# Altium PCB RFC_MB.PcbDoc (part 33 of 37)
Units mm, origin at the board's own origin, x right, y up, seen from the top; angles counter-clockwise.
Board outline 440 x 340 mm, 6 copper layers (TopLayer, PlaneGnd, PlanePwr, MidLayer3, MidLayer4, BottomLayer); 1264 components, 1336 nets, 5034 pads, 876 vias.
Unrouted connection lines stored in the file: 2433.
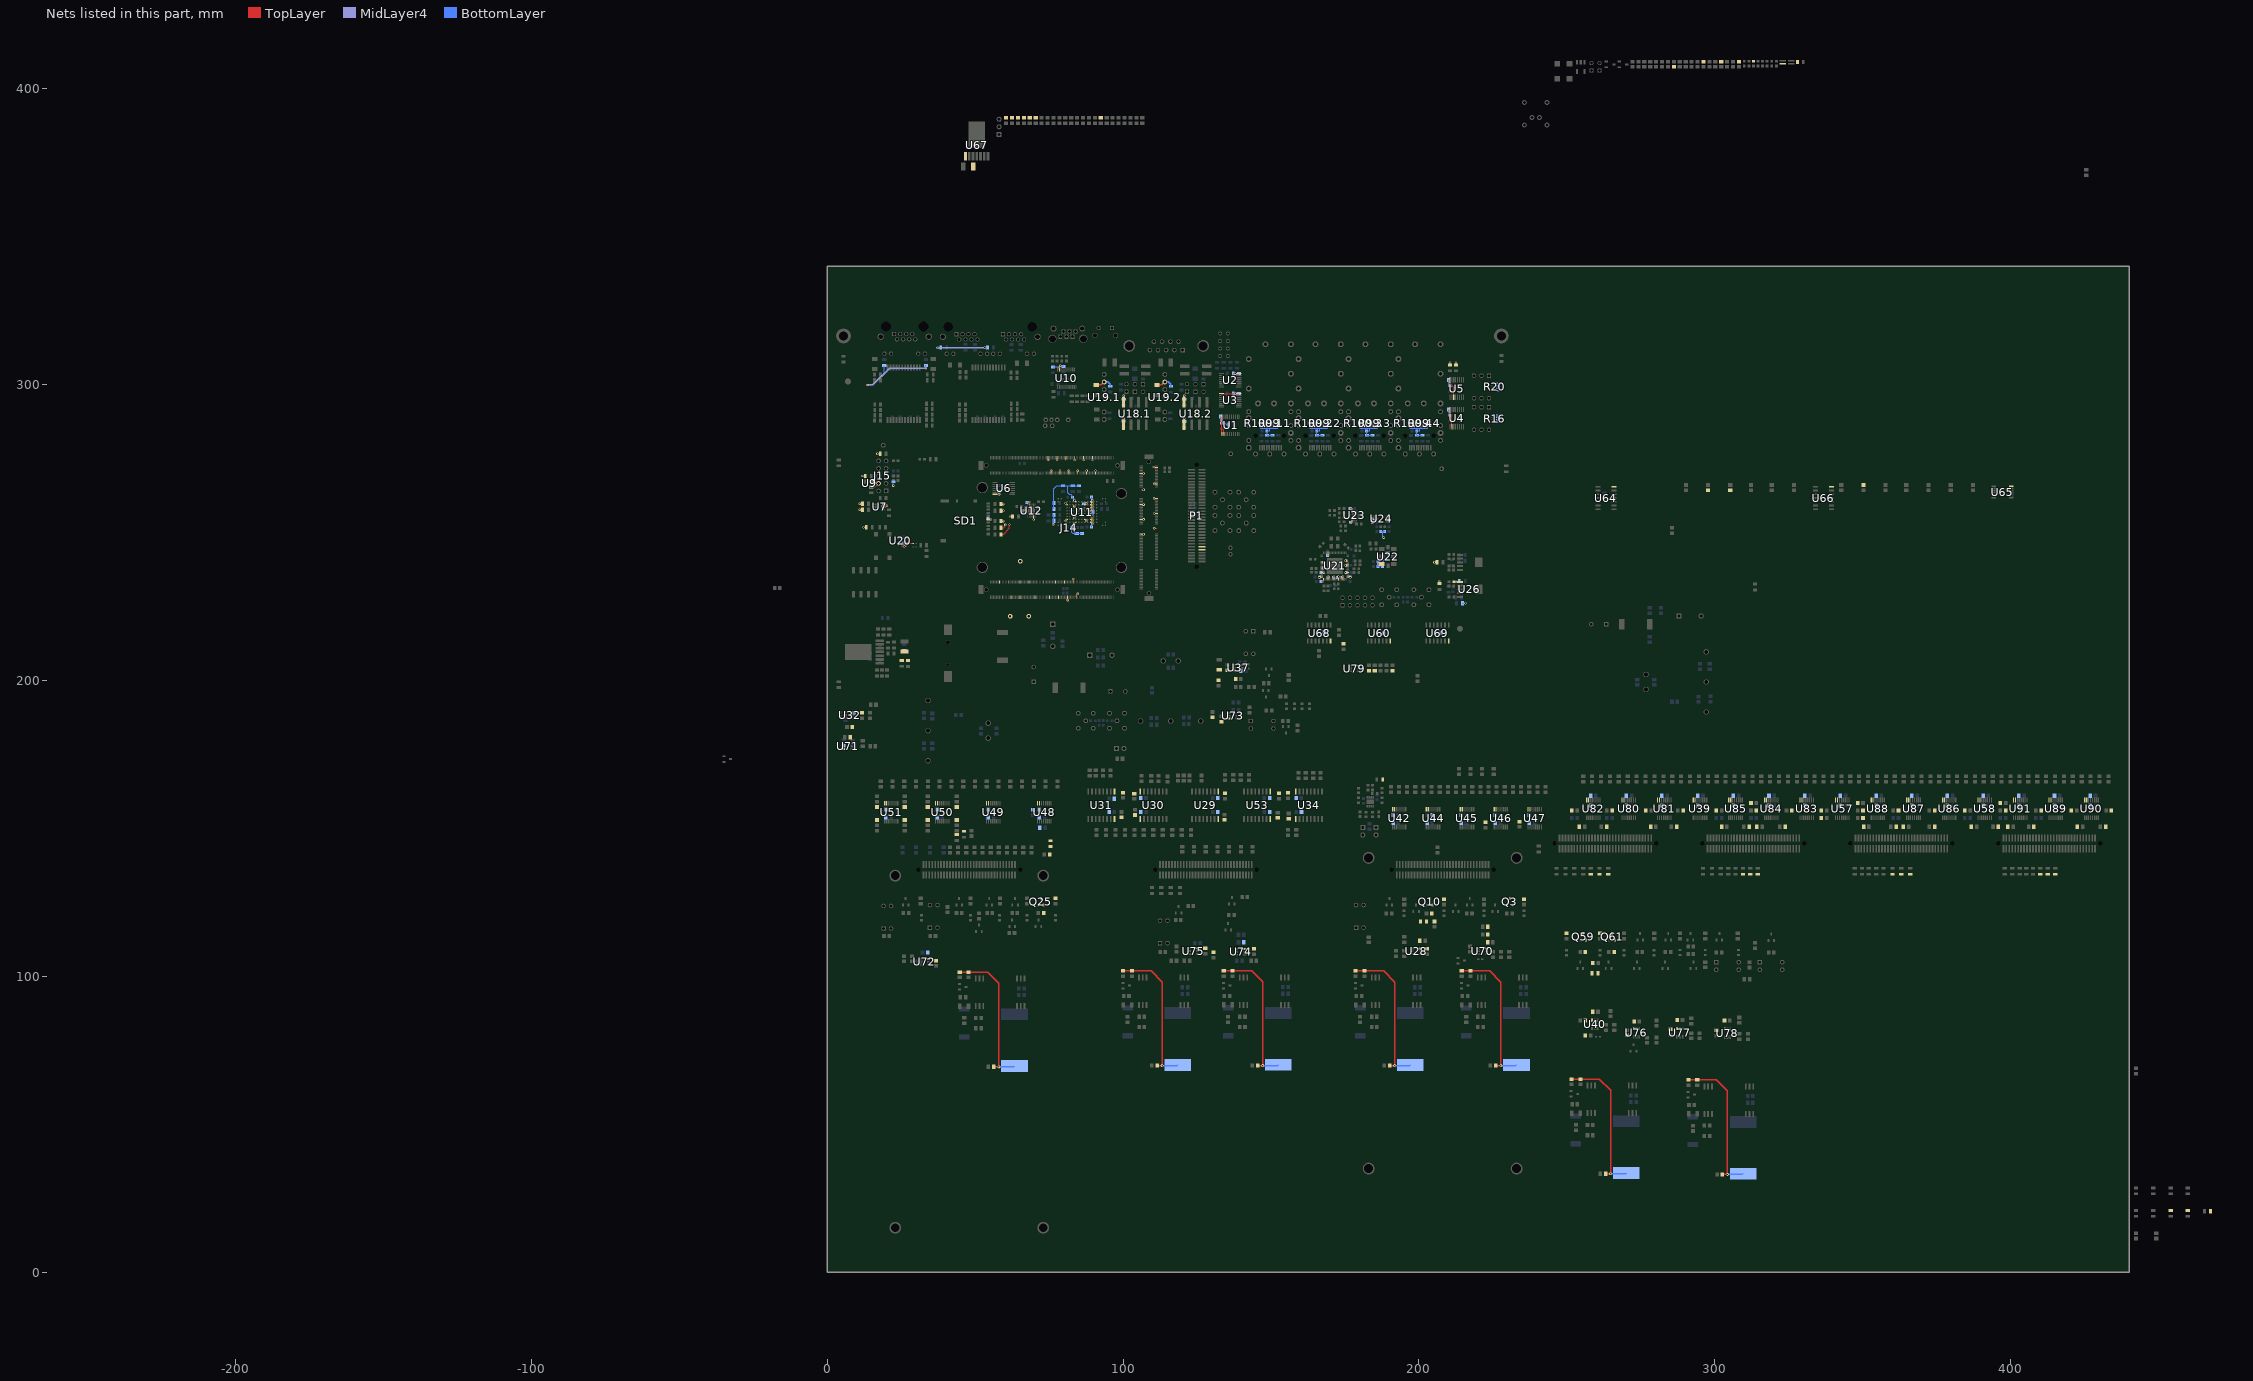
[diagram p37: the nets of this part, all layers, seen from the top]

## Footprints (in the part's own frame and the unit in brackets; to place one, negate y for a bottom-side part, rotate by r counter-clockwise, add the part's x,y. Pads: shape width x height; smd on the part's side, far side on the other; paste and mask are expansions set on the pad) (continued)
MOLEX_74441-0001 [mm] "20 Position, Pitch 0.8mm SFP+ Receptacle (Small Form-factor Pluggable)"
  rect 2x0.5 smd: 1(-4.1,3.395) 2(-4.1,2.595) 3(-4.1,1.795) 4(-4.1,0.995) 5(-4.1,0.195) 6(-4.1,-0.605) 7(-4.1,-1.405) 8(-4.1,-2.205) 9(-4.1,-3.005) 10(-4.1,-3.805) 11(4.1,-3.405) 12(4.1,-2.605) 13(4.1,-1.805) 14(4.1,-1.005) 15(4.1,-0.205) 16(4.1,0.595) 17(4.1,1.395) 18(4.1,2.195) 19(4.1,2.995) 20(4.1,3.795)
  round 0.5 hole 1.55 unplated mask+0.525: MTG1(0,4.795) MTG2(0,-4.805)
  silkscreen extent -5.08,-5.5 3.7,5.49, body extent -4.54,-5.5 4.61,5.5, height 5.37
MOLEX_74737-0111 [mm] "SFP+ 1x1 Cage"
  round 2 hole 1.05: 1(-30.9,7.125) 2(-20.9,7.125) 3(-10.9,7.125) 4(-10.9,1.445) 5(-30.9,-1.455) 6(-10.9,-3.955) 7(-25.9,-7.125) 8(-15.9,-7.125) 9(-5.9,-7.125) 10(4.1,-7.125)
  round 1.65 hole 0.95: 11(-8.1,7.125) 12(-3.4,7.125) 13(1.6,7.125) 14(6.2,4.8) 15(6.2,0) 16(6.2,-4.8) 17(-8.1,-7.125) 18(-3.4,-7.125) 19(1.6,-7.125)
  round 2 hole 0.85: 20(-0.9,7.125)
  silkscreen extent -42.4,-8.15 6.4,8.15, body extent -42.4,-8.15 6.4,8.15, height 10.6
OSCSC508P500X700X160-4N [mm] "SMD Oscillator, side convave, 4 pins, 5.00x7.00mm"
  rect 2x1.8 smd: 1(-2.1,2.54) 2(-2.1,-2.54) 3(2.1,-2.54) 4(2.1,2.54)
  silkscreen extent -3.17,-3.5 2.5,4.06, body extent -2.6,-3.6 2.6,3.6, height 1.6
PLD-10 [mm] "10 Contacts - Pitch 2.54mm - Dual Row Straight Strip Header"
  rect 1.5x1.5 hole 1: 1(-5.08,-1.27)
  round 1.5 hole 1: 2(-5.08,1.27) 3(-2.54,-1.27) 4(-2.54,1.27) 5(0,-1.27) 6(0,1.27) 7(2.54,-1.27) 8(2.54,1.27) 9(5.08,-1.27) 10(5.08,1.27)
  silkscreen extent -6.68,-3.37 6.35,2.54, body extent -6.34,-2.53 6.36,2.55, height 8.48
PLS2 [mm] "2 Contacts Straight Strip Header Pitch 2.54mm L=6.7mm ''Mini-Wire-Wrap''"
  rect 1.7x1.7 hole 1: 1(0,0)
  round 1.7 hole 1: 2(2.54,0)
  silkscreen extent -1.27,-1.23 3.81,1.93, body extent -1.22,-1.25 3.86,1.25, height 9.5
PLS3 [mm] "3 Contacts - Pitch 2.54mm - Single Row Through Mount Straight Header (Post Lead = 6.35mm, Tail Lead 3.05mm, Insulator 1.52mm)"
  rect 1.7x1.7 hole 1: 1(0,0)
  round 1.7 hole 1: 2(2.54,0) 3(5.08,0)
  silkscreen extent -1.27,-1.24 6.35,1.93, body extent -1.27,-1.24 6.35,1.24, height 7.87
PLS-2#1 [mm] "2 Contacts - Pitch 2.54mm - Single Row Straight Strip Male Header"
  rect 1.4x1.4 hole 1: 1(-1.27,0)
  round 1.4 hole 1: 2(1.27,0)
  silkscreen extent -2.87,-2.1 2.54,1.27, body extent -2.56,-1.26 2.52,1.28, height 8.48
PLS-2#2 [mm]
  rect 1.4x1.4 hole 1: 1(0,0)
  round 1.4 hole 1: 2(2.54,0)
  silkscreen extent -1.27,-1.27 3.81,1.27, body extent -1.27,-1.27 3.81,1.27, height 9.5
PTS645SL43SMTR92 [mm]
  rect 1.55x1.3 smd: 1(-3.975,2.25) 2(3.975,2.25) 3(-3.975,-2.25) 4(3.975,-2.25)
  silkscreen extent -5.2,-3.38 5.18,3.32, body extent -4.5,-3 4.5,3, height 4.3
PTS645VL582LFS [mm] "Tactile Switches SWITCH TACTILE"
  round 1.7 hole 1.3: 0(-3.5,2.55) 0(3.5,2.55)
  rect 1.4x1.4 hole 1: 1(-2.25,0)
  round 1.4 hole 1: 2(2.25,0)
  silkscreen extent -4.1,-3.8 4.05,4, body extent -4.11,-3.77 4.06,4.03, height 7.1
QFN50P300X300X100-17N-S150 [mm] "QFN, 0.50mm Pitch, Square; 4 pin X 4 pin, 3mm X 3mm X 1.00mm H Body (w/thermal tab 1.50 X 1.50mm), IPC Medium Density"
  oval 0.9x0.3 smd: 1(-1.45,0.75) 2(-1.45,0.25) 3(-1.45,-0.25) 4(-1.45,-0.75) 9(1.45,-0.75) 10(1.45,-0.25) 11(1.45,0.25) 12(1.45,0.75)
  oval 0.3x0.9 smd: 5(-0.75,-1.45) 6(-0.25,-1.45) 7(0.25,-1.45) 8(0.75,-1.45) 13(0.75,1.45) 14(0.25,1.45) 15(-0.25,1.45) 16(-0.75,1.45)
  rect 1.5x1.5 smd: 17(0,0)
  silkscreen extent -2.63,-1.5 1.5,1.5, body extent -1.57,-1.57 1.58,1.58, height 1
QFN50P400X400X80-25N-S245 [mm] "QFN, 0.50mm Pitch, Square; 6 Pin X 6 Pin, 4mm X 4mm Body (w/Thermal Tab 2.45 X 2.45 mm), IPC Medium Density"
  rect 1x0.25 smd: 1(-2,1.25) 2(-2,0.75) 3(-2,0.25) 4(-2,-0.25) 5(-2,-0.75) 6(-2,-1.25) 13(2,-1.25) 14(2,-0.75) 15(2,-0.25) 16(2,0.25) 17(2,0.75) 18(2,1.25)
  rect 0.25x1 smd: 7(-1.25,-2) 8(-0.75,-2) 9(-0.25,-2) 10(0.25,-2) 11(0.75,-2) 12(1.25,-2) 19(1.25,2) 20(0.75,2) 21(0.25,2) 22(-0.25,2) 23(-0.75,2) 24(-1.25,2)
  rect 2.45x2.45 smd: 25(0,0)
  silkscreen extent -2.52,-2 2,2.52, body extent -2.07,-2.07 2.08,2.08, height 0.8
QFN50P900X900X100-65N-S530 [mm]
  rect 0.85x0.3 smd: 1(-4.45,3.75) 2(-4.45,3.25) 3(-4.45,2.75) 4(-4.45,2.25) 5(-4.45,1.75) 6(-4.45,1.25) 7(-4.45,0.75) 8(-4.45,0.25) 9(-4.45,-0.25) 10(-4.45,-0.75) 11(-4.45,-1.25) 12(-4.45,-1.75) 13(-4.45,-2.25) 14(-4.45,-2.75) 15(-4.45,-3.25) 16(-4.45,-3.75) 33(4.45,-3.75) 34(4.45,-3.25) 35(4.45,-2.75) 36(4.45,-2.25) 37(4.45,-1.75) 38(4.45,-1.25) 39(4.45,-0.75) 40(4.45,-0.25) 41(4.45,0.25) 42(4.45,0.75) 43(4.45,1.25) 44(4.45,1.75) 45(4.45,2.25) 46(4.45,2.75) 47(4.45,3.25) 48(4.45,3.75)
  rect 0.3x0.85 smd: 17(-3.75,-4.45) 18(-3.25,-4.45) 19(-2.75,-4.45) 20(-2.25,-4.45) 21(-1.75,-4.45) 22(-1.25,-4.45) 23(-0.75,-4.45) 24(-0.25,-4.45) 25(0.25,-4.45) 26(0.75,-4.45) 27(1.25,-4.45) 28(1.75,-4.45) 29(2.25,-4.45) 30(2.75,-4.45) 31(3.25,-4.45) 32(3.75,-4.45) 49(3.75,4.45) 50(3.25,4.45) 51(2.75,4.45) 52(2.25,4.45) 53(1.75,4.45) 54(1.25,4.45) 55(0.75,4.45) 56(0.25,4.45) 57(-0.25,4.45) 58(-0.75,4.45) 59(-1.25,4.45) 60(-1.75,4.45) 61(-2.25,4.45) 62(-2.75,4.45) 63(-3.25,4.45) 64(-3.75,4.45)
  rect 5.3x5.3 smd: 65(0,0)
  silkscreen extent -5.57,-4.5 4.5,4.5, body extent -4.5,-4.5 4.5,4.5, height 1
RESC1608N [mm]
  rect 0.95x0.95 smd: 1(-0.8,0) 2(0.8,0)
  silkscreen extent 0,-0.47 0,0.48, body extent -0.87,-0.47 0.88,0.48, height 0.55
RESC1608X64N [mm]
  rect 0.85x1 smd: 1(-0.8,0) 2(0.8,0)
  silkscreen extent 0,-0.3 0,0.3, body extent -0.87,-0.47 0.88,0.48, height 0.64
RESC2012N [mm]
  rect 0.95x1.4 smd: 1(-1,0) 2(1,0)
  silkscreen extent 0,-0.7 0,0.7, body extent -1.1,-0.67 1.1,0.68, height 0.6
RESC2012X50N [mm]
  rect 0.95x1.45 smd: 1(-1,0) 2(1,0)
  silkscreen extent 0,-0.55 0,0.55, body extent -1.1,-0.67 1.1,0.68, height 0.5
RJ14 [mm]
  round 2.8 hole 2.4 paste+0: 0(-2.675,2.5)
  round 2 hole 1.4: 0(-2.3,-0.94) 0(7.4,-0.94)
  round 2.75 hole 2.4 paste+0: 0(7.775,2.5)
  rect 1.275x1.45 hole 1: 1(0,0) 2(1.02,1.78) 3(2.04,0) 4(3.06,1.775) 5(4.08,0) 6(5.1,1.78)
  silkscreen extent -3.5,-7 8.6,7, body extent -3.5,-7 8.6,7, height 11.53
SD_HRS-DM3AT-8_V [mm]
  rect 0.7x1.2 smd: 1(2.85,7.55) 2(1.75,7.55) 3(0.65,7.55) 4(-0.45,7.55) 5(-1.55,7.55) 6(-2.65,7.55) 7(-3.75,7.55) 8(-4.85,7.55) 10(-5.8,7.55)
  rect 1x0.8 smd: 9(-6.75,-2.95)
  rect 1x1.2 smd: 11(4.4,7.55) 14(-6.75,3.25)
  rect 1.3x1.9 smd: 12(6.75,-7.55)
  rect 1x2.8 smd: 13(-6.75,-7.1)
  silkscreen extent -6.85,-8.5 7,8.83, body extent -6.85,-8.5 7,7.65, height 1.68
SIP-7 [mm]
  oct 1.6x1.6 hole 1: 1(0,0)
  round 1.6 hole 1: 2(2.54,0) 4(7.62,0) 5(10.16,0) 6(12.7,0) 7(15.24,0)
  silkscreen extent -2.1,-4.75 17.37,1.25, body extent -2.15,-4.76 17.35,1.26, height 10
SMD0805CAP [mm]
  rect 1.2x1.4 smd: 1(0.102,0.002) 2(1.902,0.002)
  silkscreen extent -0.75,-0.95 2.75,0.95, body extent -0.02,-0.67 2.08,0.68, height 0.9
SMD0805RES [mm]
  rect 1.2x1.4 smd: 1(0.102,0.002) 2(1.902,0.002)
  silkscreen extent -0.75,-0.95 2.75,0.95, body extent 0,-0.63 2,0.63, height 0.51
SMD3225_4PIN_XTAL [mm]
  rect 1.4x1.2 smd: 1(-1.3,-1.1) 2(1.3,-1.1) 3(1.3,1.1) 4(-1.3,1.1)
  silkscreen extent -1.6,-1.7 1.6,1.25, body extent -1.6,-1.25 1.6,1.25, height 0.55
SMD_B82790 [mm]
  rect 3.2x1.2 smd mask-1: 1(0,0) 2(7.35,0) 3(7.35,2.5) 4(0,2.5)
  silkscreen extent 0.3,-1.7 7.3,4.3, body extent -0.72,-1.75 8.27,4.25, height 5.11
SMD_HX508 [mm]
  rect 2x0.64 smd: 1(0,0) 2(0,-0.99) 3(0,-1.98) 4(0,-2.97) 5(0,-3.96) 6(0,-4.95) 7(0,-5.94) 8(0,-6.93) 9(0,-7.92) 10(0,-8.91) 11(0,-9.9) 12(0,-10.89)
  rect 2x0.6 smd: 13(17.7,-10.89) 14(17.7,-9.9) 15(17.7,-8.91) 16(17.7,-7.92) 17(17.7,-6.93) 18(17.7,-5.94) 19(17.7,-4.95) 20(17.7,-3.96) 21(17.7,-2.97) 22(17.7,-1.98) 23(17.7,-0.99) 24(17.7,0)
  silkscreen extent -0.58,-12.17 18.1,1.28, body extent -0.45,-12.03 17.97,1.12, height 6.12
SOD_923 [mm]
  rect 0.5x0.4 smd: 1(-0.48,0) 2(0.48,0)
  body extent -0.48,-0.3 0.52,0.3, height 0.4
SODFL1608X65N [mm] "Ultra Small Outline Diode Flat Lead (SOD-523), Body; 1.2mm L X 0.8mm W X 0.65mm H, IPC Medium Density"
  rect 0.75x0.5 smd: 1(-0.7,0) 2(0.7,0)
  silkscreen extent -1.22,0.63 -0.97,0.87, body extent -0.82,-0.42 0.83,0.43, height 0.65
SOIC127P600X175-14N [mm] "SOIC 14, Pitch 1.27mm - Body 4x8.75mm, IPC Medium Density"
  rect 1.55x0.6 smd: 1(-2.7,3.81) 2(-2.7,2.54) 3(-2.7,1.27) 4(-2.7,0) 5(-2.7,-1.27) 6(-2.7,-2.54) 7(-2.7,-3.81) 8(2.7,-3.81) 9(2.7,-2.54) 10(2.7,-1.27) 11(2.7,0) 12(2.7,1.27) 13(2.7,2.54) 14(2.7,3.81)
  silkscreen extent -2.52,-4.4 1.55,4.79, body extent -3.1,-4.37 3.1,4.38, height 1.75
SOIC127P1030X265-16N [mm] "SOIC 16, Pitch 1.27mm - Body 7.5x10.3mm, IPC Medium Density"
  rect 2x0.6 smd: 1(-4.65,4.445) 2(-4.65,3.175) 3(-4.65,1.905) 4(-4.65,0.635) 5(-4.65,-0.635) 6(-4.65,-1.905) 7(-4.65,-3.175) 8(-4.65,-4.445) 9(4.65,-4.445) 10(4.65,-3.175) 11(4.65,-1.905) 12(4.65,-0.635) 13(4.65,0.635) 14(4.65,1.905) 15(4.65,3.175) 16(4.65,4.445)
  silkscreen extent -5.52,-5.15 3.32,5.38, body extent -5.18,-5.25 5.18,5.25, height 1.68
SOIC127P1033X265-12_28N [mm] "SOIC, Pitch 1.27mm; 12 Pin of 28, 7.50mm W X 17.90mm L X 2.65mm H body, IPC Medium Density"
  rect 2x0.6 smd: 1(-4.65,8.255) 2(-4.65,6.985) 3(-4.65,5.715) 12(-4.65,-5.715) 13(-4.65,-6.985) 14(-4.65,-8.255) 15(4.65,-8.255) 16(4.65,-6.985) 17(4.65,-5.715) 26(4.65,5.715) 27(4.65,6.985) 28(4.65,8.255)
  silkscreen extent -5.52,-8.95 3.32,9.22, body extent -5.18,-9.05 5.18,9.05, height 1.68
SOP8 [mm]
  rect 3.5x1 smd: 1(-3.8,3.825) 2(-3.8,1.275) 3(-3.8,-1.275) 4(-3.8,-3.825) 5(3.8,-3.825) 6(3.8,-1.275) 7(3.8,1.275) 8(3.8,3.825)
  silkscreen extent -2.3,-4.75 2.3,4.67, body extent -3.47,-4.75 3.53,4.65, height 2
SOP65P490X110-8N [mm] "SOP, 0.65mm pitch; 8 pin, 3.00mm W X 3.00mm L X 1.10mm H body, IPC Medium Density"
  rect 1.5x0.45 smd: 1(-2.2,0.975) 2(-2.2,0.325) 3(-2.2,-0.325) 4(-2.2,-0.975) 5(2.2,-0.975) 6(2.2,-0.325) 7(2.2,0.325) 8(2.2,0.975)
  silkscreen extent -2.83,-1.5 1.13,1.82, body extent -2.45,-1.55 2.45,1.55, height 1.1
SOP65P640X110-14N [mm] "SOP, 14-Leads, Body 4.4x5mm (max), Pitch 0.65mm, IPC Medium Density"
  rect 1.78x0.35 smd: 1(-2.92,1.95) 2(-2.92,1.3) 3(-2.92,0.65) 4(-2.92,0) 5(-2.92,-0.65) 6(-2.92,-1.3) 7(-2.92,-1.95) 8(2.92,-1.95) 9(2.92,-1.3) 10(2.92,-0.65) 11(2.92,0) 12(2.92,0.65) 13(2.92,1.3) 14(2.92,1.95)
  silkscreen extent -1.85,-2.5 1.85,2.5, body extent -3.12,-2.55 3.12,2.55, height 1.1
SOP65P640X110-16N [mm] "SOP, 0.65mm pitch; 16 pin, 4.40mm W X 5.00mm L X 1.10mm H body IPC Medium Density"
  rect 1.78x0.35 smd: 1(-2.92,2.275) 2(-2.92,1.625) 3(-2.92,0.975) 4(-2.92,0.325) 5(-2.92,-0.325) 6(-2.92,-0.975) 7(-2.92,-1.625) 8(-2.92,-2.275) 9(2.92,-2.275) 10(2.92,-1.625) 11(2.92,-0.975) 12(2.92,-0.325) 13(2.92,0.325) 14(2.92,0.975) 15(2.92,1.625) 16(2.92,2.275)
  silkscreen extent -1.87,-2.5 1.88,2.5, body extent -3.12,-2.55 3.12,2.55, height 1.1
SOP65P640X110-20N [mm] "SOP, 20-Leads, Body 6.6x4.5mm (max), Pitch 0.65mm, IPC Medium Density"
  rect 1.45x0.35 smd: 1(-2.95,2.925) 2(-2.95,2.275) 3(-2.95,1.625) 4(-2.95,0.975) 5(-2.95,0.325) 6(-2.95,-0.325) 7(-2.95,-0.975) 8(-2.95,-1.625) 9(-2.95,-2.275) 10(-2.95,-2.925) 11(2.95,-2.925) 12(2.95,-2.275) 13(2.95,-1.625) 14(2.95,-0.975) 15(2.95,-0.325) 16(2.95,0.325) 17(2.95,0.975) 18(2.95,1.625) 19(2.95,2.275) 20(2.95,2.925)
  silkscreen extent -3.07,-3.3 1.85,3.82, body extent -3.12,-3.3 3.12,3.3, height 1.19
SOP65P640X120-14N [mm] "SOP, 14-Leads, Body 5.1x4.5mm (max), Pitch 0.65mm, IPC Medium Density"
  rect 1.45x0.45 smd: 1(-2.95,1.95) 2(-2.95,1.3) 3(-2.95,0.65) 4(-2.95,0) 5(-2.95,-0.65) 6(-2.95,-1.3) 7(-2.95,-1.95) 8(2.95,-1.95) 9(2.95,-1.3) 10(2.95,-0.65) 11(2.95,0) 12(2.95,0.65) 13(2.95,1.3) 14(2.95,1.95)
  silkscreen extent -3.07,-2.55 1.85,2.85, body extent -3.12,-2.55 3.12,2.55, height 1.2
SOT65P210X110-5N [mm]
  rect 0.95x0.4 smd: 1(-1.1,0.65) 2(-1.1,0) 3(-1.1,-0.65) 4(1.1,-0.65) 5(1.1,0.65)
  silkscreen extent -0.3,-1 0.3,1, body extent -1.2,-1.1 1.2,1.1, height 1.1
SOT95P229X119-3N [mm] "SOT23 3-Leads, 0.95mm pitch; 3 pin, 1.296mm W X 2.858mm L X 1.194mm H body, IPC Medium Density"
  rect 1x0.65 smd: 1(-1.1,0.95) 2(-1.1,-0.95) 3(1.1,0)
  silkscreen extent -1.47,-1.45 0.28,1.92, body extent -1.25,-1.5 1.25,1.5, height 1.19
SOT95P240X110-3N [mm] "SOT23 3-Leads, Pitch 0.95mm - Body 1.3x2.9mm, IPC Medium Density"
  rect 1.15x0.6 smd: 1(-1.3,0.95) 2(-1.3,-0.95) 3(1.3,0)
  silkscreen extent -1.52,-1.45 0.3,1.92, body extent -1.25,-1.5 1.25,1.5, height 1.1
SOT95P270X145-6N [mm] "SOT, 0.95mm Pitch; 6 Pin,1.55mm W X 2.90mm L X 1.45mm H body, IPC Medium Density"
  rect 1.1x0.6 smd: 1(-1.4,0.95) 2(-1.4,0) 3(-1.4,-0.95) 4(1.4,-0.95) 5(1.4,0) 6(1.4,0.95)
  silkscreen extent -1.82,-1.45 0.45,1.87, body extent -1.35,-1.45 1.35,1.45, height 1.45
SOT95P280X100-6N [mm] "SOT23, 0.95mm pitch; 6 pin, 1.625mm W X 2.90mm L X 1.00mm H body, IPC Medium Density"
  rect 1.1x0.55 smd: 1(-1.35,0.95) 2(-1.35,0) 3(-1.35,-0.95) 4(1.35,-0.95) 5(1.35,0) 6(1.35,0.95)
  silkscreen extent -1.77,-1.45 0.47,1.87, body extent -1.4,-1.5 1.4,1.5, height 1
SOT95P280X115-3N [mm] "SOT23, 0.95mm, pitch;3 pin,1.55mm W X 2.95mm L X 1.15mm H body, IPC Medium Density"
  rect 1.15x0.6 smd: 1(-1.3,0.95) 2(-1.3,-0.95) 3(1.3,0)
  silkscreen extent -0.4,-1.5 0.4,1.5, body extent -1.4,-1.5 1.6,1.5, height 1.15
SOT95P285X110-6N [mm]
  rect 1.05x0.55 smd: 1(-1.3,0.95) 2(-1.3,0) 3(-1.3,-0.95) 4(1.3,-0.95) 5(1.3,0) 6(1.3,0.95)
  silkscreen extent -1.77,-1.5 0.45,1.87, body extent -1.4,-1.5 1.48,1.5, height 1.1
SOT223 [mm] "SOT223, 6-Leads, Body 6.6x7.3mm (max), Pitch 1.27mm, IPC Medium Density"
  rect 2.6x3.2 smd: 0(3.3,0)
  rect 2.05x0.65 smd: 1(-3,2.54) 2(-3,1.27) 3(-3,0) 4(-3,-1.27) 5(-3,-2.54)
  silkscreen extent -1.6,-3.3 1.6,3.3, body extent -3.68,-3.27 3.68,3.28, height 1.8
SW_ECE_ERD116XSZ [mm] "Body 7.4x7.4mm SMT Hexadecimal Rotary Switches"
  rect 1.5x1.5 hole 0.9: 1(0,0)
  round 1.5 hole 0.9: 2(7.62,-5.08) 4(0,-5.08) 8(7.62,0) C1(0,-2.54) C2(7.62,-2.54)
  silkscreen extent -1.19,-7.54 8.81,2.46, body extent -1.13,-7.52 8.88,2.48, height 5.01
TEST_POINT [mm] "test point"
  oct 1.5x1.5 hole 0.8: 1(0,0)
TO-PMOD7 [mm] "TO-263, TO,1.27mm pitch;7 pin,14.10mm L X 8.64mm W X 4.64mm H body, IPC Medium Density"
  rect 9x5.5 smd: 0(1.25,0)
  rect 3x0.9 smd: 1(-6.05,3.81) 2(-6.05,2.54) 3(-6.05,1.27) 4(-6.05,0) 5(-6.05,-1.27) 6(-6.05,-2.54) 7(-6.05,-3.81)
  silkscreen extent -4.2,-5.1 -3.1,5.1, body extent -7.12,-5.08 7.23,5.08, height 4.57
TSSOP-16 [mm]
  rect 1.6x0.4 smd: 1(-3.025,2.275) 2(-3.025,1.625) 3(-3.025,0.975) 4(-3.025,0.325) 5(-3.025,-0.325) 6(-3.025,-0.975) 7(-3.025,-1.625) 8(-3.025,-2.275) 9(3.025,-2.275) 10(3.025,-1.625) 11(3.025,-0.975) 12(3.025,-0.325) 13(3.025,0.325) 14(3.025,0.975) 15(3.025,1.625) 16(3.025,2.275)
  TopLayer circle w0.25: c-2.95,3.1 r0.125
  silkscreen extent -3.07,-2.55 1.85,3.17, body extent -3.12,-2.55 3.12,2.55, height 1.2
TYCO_120521-1 [mm] "1mm Centerline, FH (IEEE 1386) Surface Mount, Stacking Board-to-Board Female Connectors"
  rect 0.6x2.4 smd: 1(1.7,-1.8) 2(1.7,1.8) 3(2.7,-1.8) 4(2.7,1.8) 5(3.7,-1.8) 6(3.7,1.8) 7(4.7,-1.8) 8(4.7,1.8) 9(5.7,-1.8) 10(5.7,1.8) 11(6.7,-1.8) 12(6.7,1.8) 13(7.7,-1.8) 14(7.7,1.8) 15(8.7,-1.8) 16(8.7,1.8) 17(9.7,-1.8) 18(9.7,1.8) 19(10.7,-1.8) 20(10.7,1.8) 21(11.7,-1.8) 22(11.7,1.8) 23(12.7,-1.8) 24(12.7,1.8) 25(13.7,-1.8) 26(13.7,1.8) 27(14.7,-1.8) 28(14.7,1.8) 29(15.7,-1.8) 30(15.7,1.8) 31(16.7,-1.8) 32(16.7,1.8) 33(17.7,-1.8) 34(17.7,1.8) 35(18.7,-1.8) 36(18.7,1.8) 37(19.7,-1.8) 38(19.7,1.8) 39(20.7,-1.8) 40(20.7,1.8) 41(21.7,-1.8) 42(21.7,1.8) 43(22.7,-1.8) 44(22.7,1.8) 45(23.7,-1.8) 46(23.7,1.8) 47(24.7,-1.8) 48(24.7,1.8) 49(25.7,-1.8) 50(25.7,1.8) 51(26.7,-1.8) 52(26.7,1.8) 53(27.7,-1.8) 54(27.7,1.8) 55(28.7,-1.8) 56(28.7,1.8) 57(29.7,-1.8) 58(29.7,1.8) 59(30.7,-1.8) 60(30.7,1.8) 61(31.7,-1.8) 62(31.7,1.8) 63(32.7,-1.8) 64(32.7,1.8)
  round 1 hole 1.5 unplated: 65(0,0) 66(34.4,0)
  silkscreen extent -0.75,-3.72 35.15,3.03, body extent -0.75,-3.02 35.15,3.03, height 5.4
XFMR_MINI-CIRCUITS_AT224 [mm] "MINI-CIRCUITS RF Transformer, Case AT224 - Body 3.81X3.81mm"
  rect 0.76x1.65 smd: 1(-1.27,1.59) 2(0,1.59) 3(1.27,1.59) 4(1.27,-1.59) 6(-1.27,-1.59)
  silkscreen extent -2.3,-0.36 1.91,1.72, body extent -1.9,-1.9 1.91,1.91, height 3.81

## Part data
C1 C2 C3 C4 C5 C6 C7 C8 C9 C10 C11 C12 C13 C14 C15 C16 C17 C18 C19 C20 C21 C22 C23 C24 C25 C26 C27 C28 C29 C30 C31 C32 C33 C34 C35 C36 C37 C38 C39 C40 C41 C43 C44 C45 C46 C47 C48 C49 C65.1 C65.2 C66.1 C66.2 C67.1 C67.2 C68.1 C68.2 C69.1 C69.2 C70.1 C70.2 C71 C73.1 C73.2 C73.3 C73.4 C74.1 C74.2 C74.3 C74.4 C75.1 C75.2 C75.3 C75.4 C76.1 C76.2 C76.3 C76.4 C77.1 C77.2 C77.3 C77.4 C78 C79 C80 C81 C82 C83 C84 C85 C86 C87 C88 C89 C90 C91 C92 C93 C94 C95 C96 C97 C98 C99 C100 C101 C102 C103 C104 C105 C106 C107 C108 C109 C110 C111 C112 C113 C114 C115 C118 C119 C120 C121 C122 C125: library part CAPC, "Generic ceramic SMD capacitor", Last Change Data=06.03.2017, Maintainer="Evgeniy Kotov", Release Date=06.03.2017, SMD Solders=2, THD Solders=0
  C1 C2 C3 C4 C10 C11 C12 C14 C15 C16 C19 C25 C30 C33 C34 C35 C36 C37 C38 C65.1 C65.2 C66.1 C66.2 C67.1 C67.2 C69.1 C69.2: PartField=0.1uF, Pkg=0805
  C5 C6 C8 C9 C39 C40 C41 C43 C44 C45 C46 C47 C48 C49 C71 C73.1 C73.2 C73.3 C73.4 C75.1 C75.2 C75.3 C75.4 C77.1 C77.2 C77.3 C77.4 C78 C79 C80 C81 C82 C83 C84 C85 C86 C87 C88 C89 C90 C91 C92 C93 C94 C95 C96 C97 C98 C99 C100 C101 C102 C103 C104 C105 C106 C107 C108 C109 C110 C111 C112 C113 C114 C115 C118 C120 C121 C125: PartField=100nF, Pkg=0603
  C7 C17 C18 C20 C21 C22 C23 C24 C26 C27 C28 C31 C32 C74.1 C74.2 C74.3 C74.4 C76.1 C76.2 C76.3 C76.4: PartField=22uF, Pkg=0805
  C13: PartField=270pF, Pkg=0805
  C29: PartField=120pF, Pkg=0805
  C68.1 C68.2 C70.1 C70.2: PartField=47uF, Pkg=1006
  C119 C122: PartField=10nF, Pkg=0603
C42 C50 C52 C53 C54 C55 C57 C60 C61 C62 C63 C72 C116 C117 C123 C124: library part CAPC, "Generic ceramic SMD capacitor", Voltage Rating=10V, Last Change Data=06.03.2017, Maintainer="Evgeniy Kotov", Pkg=0805, Release Date=06.03.2017, SMD Solders=2, THD Solders=0
  C42 C50 C52 C53 C54 C55 C57 C60 C61 C62 C63 C72 C116 C123: PartField=1uF
  C117 C124: PartField=22uF
C51 C56 C59 C64.1 C64.2: library part CAPC, "Generic ceramic SMD capacitor", VoltageRating=2kV, Last Change Data=06.03.2017, Maintainer="Evgeniy Kotov", PartField=1nF, Pkg=1206, Release Date=06.03.2017, SMD Solders=2, THD Solders=0
C58: library part CAPC, "Generic ceramic SMD capacitor / +' x '+Voltage Rating", VoltageRating=2kV, Last Change Data=06.03.2017, Maintainer="Evgeniy Kotov", PartField=1nF, Pkg=1206, Release Date=06.03.2017, SMD Solders=2, THD Solders=0
C126 C127 C142 C143 C150 C151 C152 C153 C155 C156 C159 C160 C161 C162 C163 C164 C165 C166 C167 C168 C169 C170 C171 C172 C174 C178 C180 C182 C185 C188 C189 C191 C194 C197 C198 C199 C202 C203 C204 C205 C206_1 C206_2 C206_3 C206_4 C206_5 C206_6 C206_7 C207_1 C207_2 C207_3 C207_4 C207_5 C207_6 C207_7 C208 C209_1 C209_2 C209_3 C209_4 C209_5 C209_6 C209_7 C210_1 C210_2 C210_3 C210_4 C210_5 C210_6 C210_7 C212_1 C212_2 C212_3 C212_4 C212_5 C212_6 C212_7 C213 C214 C215_1 C215_2 C215_3 C215_4 C215_5 C215_6 C215_7 C216 C217 C218 C219 C220 C221 C222 C223 C224 C225 C226 C229 C230 C231 C232 C233 C239 C240 C245 C246 C247 C248 C249 C250 C251 C252 C253 C254 C255 C256 C257 C258 C259 C260 C261 C262 C263 C264 C265 C266 C267 C268 C269 C270 C271 C272 C323 C324 C325 C326 C327 C328 C329 C374 C375 C376 C414 C415 C416 C417 C418 C419 C420 C421 C422 C423 C424 C425 C426 C427 C428 C429 C430 C431 C432 C435 C436 C438 C439 C440 C442 C443 C444 C445 C446 C447 C448 C449 C450 C451 C452 C453 C454 C455 C456 C457 C458 C459 C460 C461 C462 C463 C464 C465 C466 C467 C468 C469: library part C0805, "Чип конденсатор 0805", DielectricType=X5R, Tolerance=20%, Voltage=25V, Device=Cap0805, Pkg=SMD0805, Price=2, SMD Solders=2, Solder Option=RM, Vendor=Vishay
C128 C132 C244: library part CAP_LLL219R71A105, "1uF; 10V; 0805R; X7R; Low ESL; Reverse geometry", ClassName=Soldered_BINP, PartField=LLL219R71A105, Pkg=0508, SMD Solders=2, SolderOption=2, THD Solders=0, Vendor=muRata
C129 C130 C131 C133 C134 C135 C136 C137 C144 C145 C146 C147 C148 C149: library part C0603, "Чип конденсатор 0603", DielectricType=X5R, Tolerance=20%, Voltage=50V, Device=Cap603, Pkg=SMD0603, Price=2, SMD Solders=2, Solder Option=RM, Vendor=Vishay
C138 C139 C140 C141: library part C0805, "Чип конденсатор 0805", DielectricType=X5R, Tolerance=20%, Voltage=50V, Device=Cap0805, Pkg=SMD0805, Price=2, SMD Solders=2, Solder Option=RM, Vendor=Vishay
C157 C200 C227: library part CAP_POL_7_5x16, "Конденсатор полярный d16 p7.5мм", Tolerance=20%, Voltage=100V, Device=Cap+, Pkg=7.5x16mm, Price=30, SMD Solders=0, Solder Option=RM, THD Solders=2, Vendor=Vishay
C158 C201 C228: library part CAP_POL_5x10, "Конденсатор полярный d10 p5мм", Tolerance=20%, Voltage=100V, Device=Cap+, Pkg=5x10mm, Price=20, SMD Solders=0, Solder Option=RM, THD Solders=2, Vendor=Vishay
C211_1 C211_2 C211_3 C211_4 C211_5 C211_6 C211_7: library part C1206, "Чип конденсатор 0805", DielectricType=X5R, Tolerance=1%, Voltage=16V, Device=Cap1206, Pkg=SMD1206, Price=2, SMD Solders=2, Solder Option=RM, Vendor=Vishay
D1 D2: "Schottky Barrier Diode", Forward Current=100mA, Forward Voltage="0.38V @ 1mA / 1V @ 40mA", Reverse Current=15mA, Reverse Voltage=40V, Temperature Range="-55°C to +150°C", Last Change Data=28.03.2017, Maintainer="Evgeniy Kotov", PartField=BAS40SL, Pkg=SOD-923F, Release Date=28.03.2017, SMD Solders=2, THD Solders=0, Vendor=Vishay
D3: library part LEDx4_H485CGDL, "LED Circuit Board Indicator 4 High Green (x 4) Diffused 2.1V Round with Domed Top, 1.80mm Through Hole", Color=Green, Forward Current=5mA, Temperature Range="-55°C to +150°C", Last Change Data=28.03.2017, Maintainer="Evgeniy Kotov", PartField=H485CGDL, Pkg="8 pin THD Led", Release Date=28.03.2017, SMD Solders=0, THD Solders=8, Vendor="Bivar Inc."
D4: library part LED_SMD0603, "SMD Led, 0603", Color=Blue, Forward Current=5mA, Temperature Range="-55°C to +150°C", Last Change Data=28.03.2017, Maintainer="Evgeniy Kotov", PartField="LB Q39E-N1OO-35-1", Pkg=0603, Release Date=28.03.2017, SMD Solders=2, THD Solders=0, Vendor=Vishay
D5 D6: "High Conductance Low Leakage Diode", HelpURL=https://www.engineering.uiowa.edu/sites/default/files/ees/files/NI/pdfs/01/30/DS013013.pdf, PartField=MMBD1503, Pkg=SOT-3N, SMD Solders=3, SolderOption=0, THD Solders=0
D7 D9 D18 D45: "Чип Шоттки диод", Voltage=30V, Device=RB521S-30, Name to order=RB521S-30, Pkg=SOD523, Price=5, SMD Solders=2, Solder Option=RM, Vendor=CTK
D8 D10 D11 D14 D15 D16 D20 D24 D27 D32 D35 D40 D41 D43 D47 D49 D52 D56 D57 D58: library part LED0603, "Чип светодиод 0603", Device=LED0603, Pkg=SMD0603, Price=10, SMD Solders=2, Solder Option=RM, Vendor=KB
D29: library part BZV55C, "Чип cтабилитрон", Current=5, Voltage=3V, Device=BZV55C, Name to order=BZV55C3V0, Pkg=SOD80, Price=5, SMD Solders=2, Solder Option=RM, Vendor=LGE
J1: library part BAT_CR1220, "BATTERY HOLDER COIN 12.5MM SMD", ComponentLink1Description=Datasheet, Last Change Data=02.04.2017, Maintainer="Evgeniy Kotov", PartField=BC501SM, Pkg="12MM SMD", Release Date=02.04.2017, SMD Solders=2, THD Solders=0
J2: "D-SUB; 9-pin, male, flange 7.2mm", PartField=DRB-9MA, Pkg=DRB-9MA, SMD Solders=0, SolderOption=0, THD Solders=11
J3 J4 J5 J6 J8 J9 J25 J26: library part LEMO_EPA.00.250, PartField=EPA.00.250.NTN, Pkg="LEMO 5pin", SMD Solders=0, SolderOption=0, THD Solders=5
J7: library part DIPSW4, "SMD DIP Switch, Omron A6H or A6SN series", Manufacturer=Omron, PartField=A6SN-4104, Pkg="SMD 8pin", SMD Solders=8, THD Solders=0
J11: "Tactile Switch SPST-NO Side Actuated Through Hole, Right Angle", ComponentLink1Description=Datasheet, Last Change Data=02.04.2017, Maintainer="Evgeniy Kotov", PartField=PTS645VL582LFS, Pkg="Button 4 pin", Release Date=02.04.2017, SMD Solders=0, THD Solders=4
J13: "Tactile Switch SPST-NO Top Actuated Surface Mount", ComponentLink1Description=Datasheet, Last Change Data=02.04.2017, Maintainer="Evgeniy Kotov", PartField=PTS645SL43SMTR92, Pkg="Button 4 pin", Release Date=02.04.2017, SMD Solders=4, THD Solders=0
J14: library part FX10A-168P-SV_ME-SA2+, HelpURL=https://www.hirose.com/product/document?clcode=CL0570-0044-8-71&productname=FX10A-168P-SV(71)&series=FX10&documenttype=Catalog&lang=ru&documentid=D31650_en, PartField=FX10A-168P-SV1(71), PIN_COUNT=168, Pkg="SMD 170pin", SMD Solders=170, SolderOption=0, THD Solders=0
J15 J24: library part IDC-10MS, "Connector, 5x2, Male, 2.54mm Pitch, Strait contacts, with Body", ComponentLink1Description=Datasheet, Last Change Data=28.03.2017, Maintainer="Evgeniy Kotov", PartField=IDC-10MC, Pkg=IDC-10, Release Date=28.03.2017, SMD Solders=0, THD Solders=10
J16: library part RJ-14, PartField=1734723-1@TYCO, Pkg=RJ14-6p, SMD Solders=0, THD Solders=10
J17: library part RJ45-RJHSE-5381-2, "Dual Port, High Speed RJ45, Modular Jack, 8 Position, 8 Contacts, Shielded, with LEDs, -55 to 85 degC,12-Pin THD, RoHS, Tray", LED Color=Yellow-Green, Manufacturer=Amphenol, Operating Temperature=-55°C~85°C, Package Description="12-Pin Through Hole Device, Body 16.51 x 15.75 mm", Package Reference=RJHSE-5381, Ratings=-, Standard Package=120, 3D Model=RJHSE538x.stpRJHSE538x.igs, Catalog Drawings=RJ45SeriesRightAngle, Category=Connectors,Interconnects, Connector Type=Jack, Contact Finish=Gold, Contact Finish Thickness=50µin(1.27µm), Contact Material=PhosphorBronze, Datasheet URL=https://datasheet.ciiva.com/16481/rjhse538x-16481714.pdf, Datasheet Version="Rev. K, 04/2014", Family=ModularConnectors-Jacks, Featured Product=ModularJacksProductSolutions, Features=BoardLock, Housing Material=Thermoplastic, Ingress Protection=-, Manufacturer URL=http://www.amphenol.com/, Mounting Technology=ThroughHole, Mounting Type=ThroughHole, Number of Ports=1, Number of Positions/Contacts=8p8c(RJ45,Ethernet), Number of Rows=1, Online Catalog=RJHSESeries, Orientation=90°Angle(Right), Other Names=RJHSE5381, Packaging=Tray, PartField=RJHSE-5381-2, PCN Design/Specification=MultipleSeriesCopper29/Jan/2009RJHSEShieldMaterial30/Jun/2015, Pkg="LAN x2", Series=RJHSE, Shielding=Shielded,EMIFinger, SMD Solders=0, Tab Direction=Up, Termination=Solder, THD Solders=28
J18: library part RJ45-RJHSE-5381, "High Speed RJ45, Modular Jack, 8 Position, 8 Contacts, Shielded, with LEDs, -55 to 85 degC,12-Pin THD, RoHS, Tray", LED Color=Yellow-Green, Manufacturer=Amphenol, Operating Temperature=-55°C~85°C, Package Description="12-Pin Through Hole Device, Body 16.51 x 15.75 mm", Ratings=-, Standard Package=120, 3D Model=RJHSE538x.stpRJHSE538x.igs, Catalog Drawings=RJ45SeriesRightAngle, Category=Connectors,Interconnects, Connector Type=Jack, Contact Finish=Gold, Contact Finish Thickness=50µin(1.27µm), Contact Material=PhosphorBronze, Datasheet URL=https://datasheet.ciiva.com/16481/rjhse538x-16481714.pdf, Datasheet Version="Rev. K, 04/2014", Family=ModularConnectors-Jacks, Featured Product=ModularJacksProductSolutions, Features=BoardLock, Housing Material=Thermoplastic, Ingress Protection=-, Manufacturer URL=http://www.amphenol.com/, Mounting Technology=ThroughHole, Mounting Type=ThroughHole, Number of Ports=1, Number of Positions/Contacts=8p8c(RJ45,Ethernet), Number of Rows=1, Online Catalog=RJHSESeries, Orientation=90°Angle(Right), Other Names=RJHSE5381, Package Reference=RJHSE-5381, Packaging=Tray, PartField=RJHSE-5381, PCN Design/Specification=MultipleSeriesCopper29/Jan/2009RJHSEShieldMaterial30/Jun/2015, Pkg="LAN conn", Series=RJHSE, Shielding=Shielded,EMIFinger, SMD Solders=0, Tab Direction=Up, Termination=Solder, THD Solders=14